# KiCad board simplyKeeb-60K.kicad_pcb
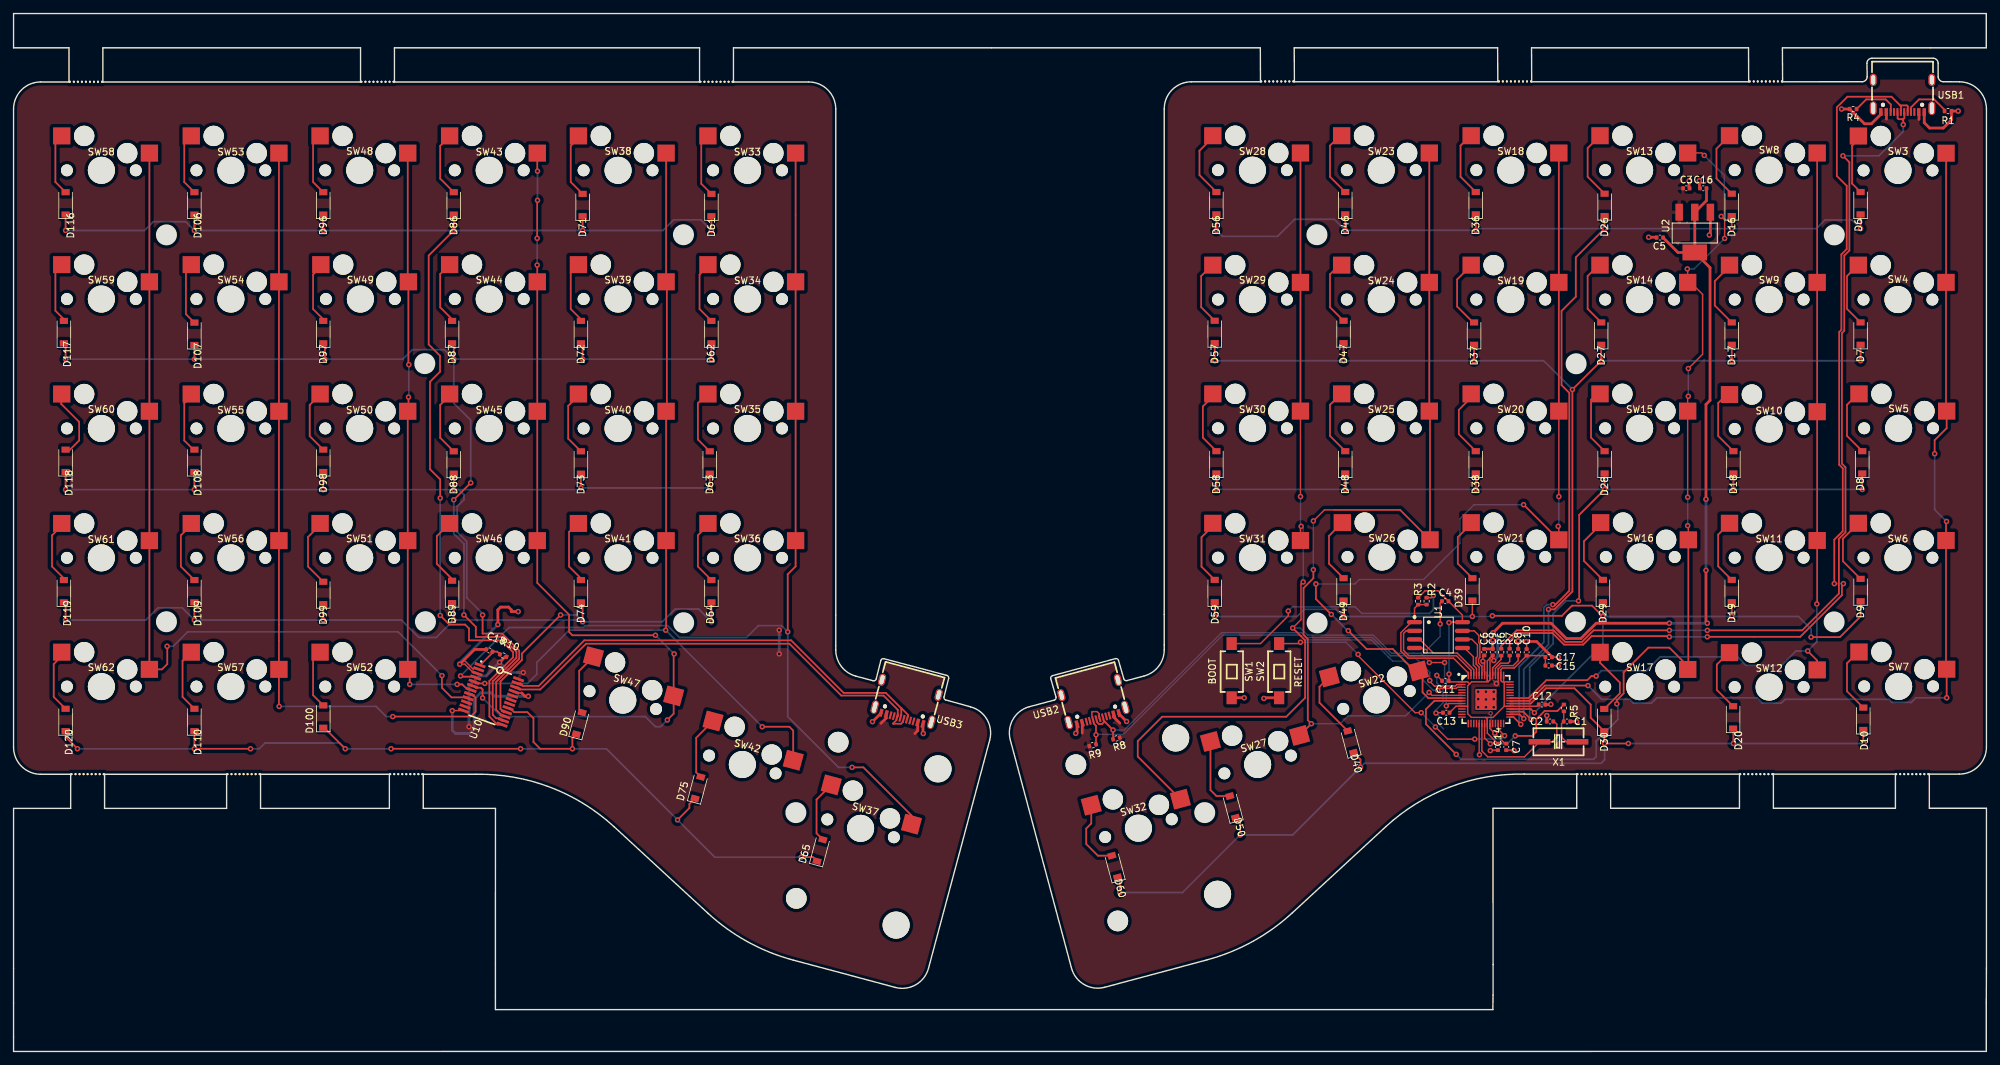
[diagram p0: board, top side]
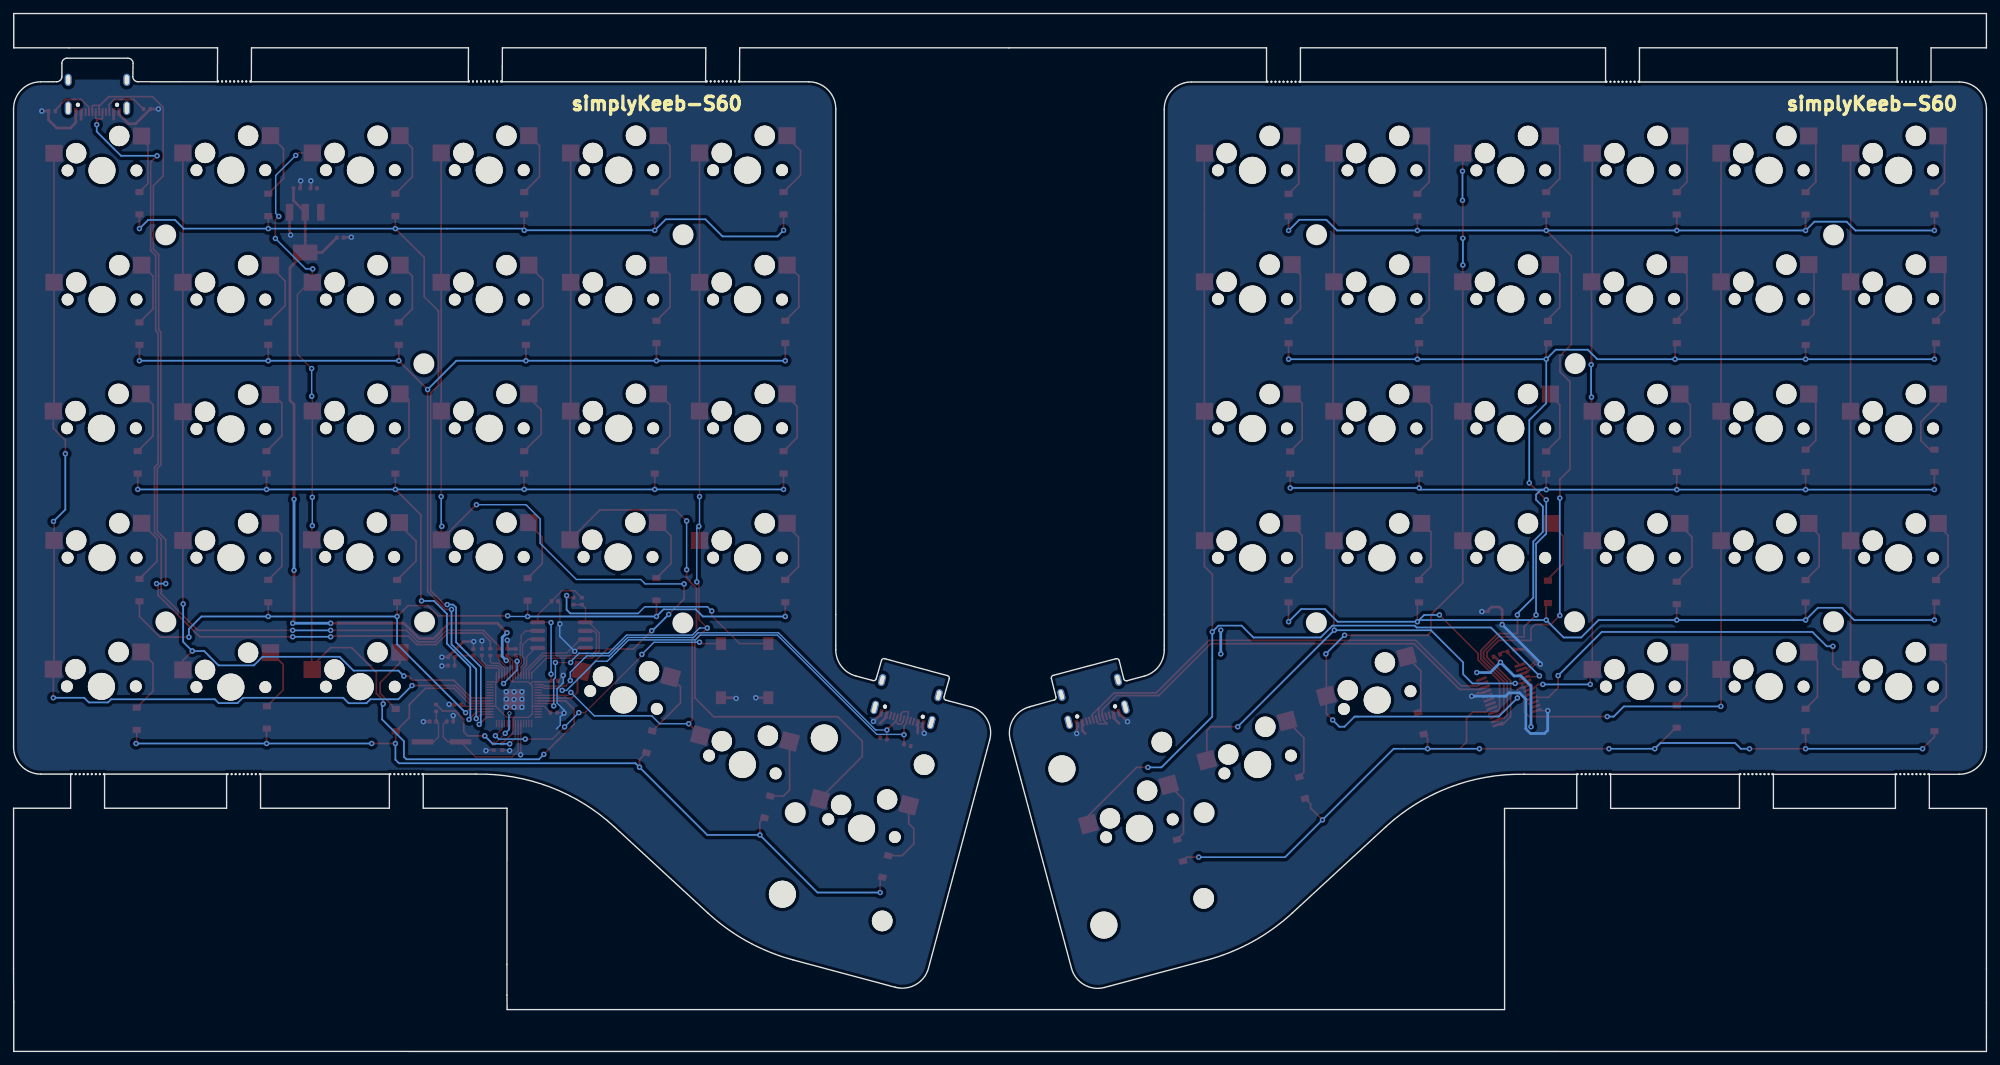
[diagram p1: board, bottom side, seen from below]

Outline 290.96 x 153.2 mm; copper layers: Top, Bottom. Coordinates in mm from the lower left corner of the outline.
Outline path: circle c22.55,120.53 r1.5 ; circle c22.55,63.43 r1.5 ; circle c60.65,101.53 r1.5 ; circle c60.75,63.43 r1.5 ; circle c98.8,120.55 r1.5 ; circle c98.82,63.28 r1.5 ; circle c115.37,35.25 r1.5 ; circle c175.67,35.25 r1.5 ; circle c192.22,120.55 r1.5 ; circle c192.25,63.25 r1.5 ; circle c230.35,63.4 r1.5 ; circle c230.45,101.5 r1.5 ; circle c268.5,63.4 r1.5 ; circle c268.52,120.53 r1.5 ; 0,153.2 290.93,153.2 290.93,148.14 260.87,148.14 260.9,143.13 272.62,143.13 arc(273.15,143.35) 273.37,143.88 273.33,145.86 arc(273.55,146.39) 274.08,146.61 283.08,146.61 arc(283.62,146.39) 283.83,145.86 283.83,143.86 arc(284.08,143.34) 284.61,143.13 286.96,143.13 arc(289.79,141.96) 290.96,139.13 290.96,44.94 arc(289.78,42.11) 286.95,40.94 282.54,40.94 282.54,35.9 290.96,35.9 290.96,12.26 290.93,7.18 290.93,0 0,0 0,35.87 8.42,35.87 8.42,40.91 4.01,40.91 arc(1.18,42.08) 0,44.91 0,139.1 arc(1.17,141.93) 4,143.1 8.17,143.1 8.17,148.14 0,148.14 0,153.2 ; 13.17,148.14 51.17,148.14 51.17,143.1 13.17,143.1 13.17,148.14 ; 13.42,40.91 31.42,40.91 31.42,35.87 13.42,35.87 13.42,40.91 ; 36.42,40.91 55.42,40.91 55.42,35.87 36.42,35.87 36.42,40.91 ; 56.17,148.14 101.17,148.14 101.17,143.1 56.17,143.1 56.17,148.14 ; 60.42,40.91 68.16,40.91 arc(79.12,39.01) 88.59,33.15 102.39,20.42 arc(108.25,16.19) 114.97,13.49 130.04,9.45 arc(133.07,9.85) 134.94,12.28 143.96,45.97 arc(143.56,49) 141.13,50.87 137.49,51.88 arc(137.26,52.04) 137.23,52.31 137.9,55.05 arc(137.87,55.34) 137.64,55.51 128.36,57.97 arc(128.07,57.94) 127.9,57.71 127.22,54.98 arc(127.05,54.75) 126.77,54.72 124.22,55.4 arc(122.09,56.83) 121.26,59.26 121.26,139.1 arc(120.09,141.93) 117.26,143.1 106.17,143.1 106.17,148.14 183.87,148.14 183.9,143.13 173.7,143.13 arc(170.87,141.95) 169.7,139.13 169.7,64.48 169.7,59.98 169.7,59.29 arc(168.87,56.85) 166.73,55.42 164.19,54.74 arc(163.91,54.78) 163.74,55 162.95,57.72 arc(162.78,57.95) 162.5,57.98 153.23,55.47 arc(153,55.3) 152.96,55.02 153.74,52.31 arc(153.7,52.03) 153.48,51.86 149.82,50.89 arc(147.4,49.03) 147,45.99 156.02,12.3 arc(157.89,9.88) 160.92,9.48 175.99,13.51 arc(182.71,16.22) 188.57,20.44 202.37,33.17 arc(211.84,39.03) 222.8,40.94 230.54,40.94 230.54,35.9 218.19,35.9 218.2,12.82 218.2,8.32 218.17,6.18 71.06,6.18 71.06,12.8 71.07,35.87 60.42,35.87 60.42,40.91 ; 188.9,143.13 188.87,148.14 218.87,148.14 218.9,143.13 188.9,143.13 ; 223.9,143.13 223.87,148.14 255.87,148.14 255.9,143.13 223.9,143.13 ; 235.54,40.94 235.54,35.9 254.54,35.9 254.54,40.94 235.54,40.94 ; 259.54,40.94 259.54,35.9 277.54,35.9 277.54,40.94 259.54,40.94
Stack: Top 0.035mm / dielectric 1.51mm FR4 er 4.5 / Bottom 0.035mm

## Placement (name value [footprint] x y rotation side)
C1  30pF  [C_0402_1005Metric]  229.1 48.71 0 top
C2  30pF  [C_0402_1005Metric]  226.6 48.7 180 top
C3  10uF  [C_0402_1005Metric]  246.7 127.4 0 top
C4  100nF  [C_0402_1005Metric]  211.15 66.45 180 top
C5  10uF  [C_0402_1005Metric]  242.79 120.13 180 top
C6  100nF  [C_0402_1005Metric]  216.9 58.93 90 top
C7  100nF  [C_0402_1005Metric]  220.15 44.95 270 top
C8  1uF  [C_0402_1005Metric]  221.9 58.93 90 top
C9  100nF  [C_0402_1005Metric]  218.15 58.93 90 top
C10  1uF  [C_0402_1005Metric]  223.15 58.91 90 top
C11  100nF  [C_0402_1005Metric]  211.17 54.7 180 top
C12  100nF  [C_0402_1005Metric]  225.42 51.2 0 top
C13  100nF  [C_0402_1005Metric]  211.3 50 180 top
C14  100nF  [C_0402_1005Metric]  218.9 44.95 270 top
C15  100nF  [C_0402_1005Metric]  226.4 56.95 0 top
C16  10uF  [C_0402_1005Metric]  249.2 127.4 180 top
C17  100nF  [C_0402_1005Metric]  226.4 58.2 0 top
C18  100nF  [C_0402_1005Metric]  70.17 59.18 160 top
D6  1N4148W  [D_SOD-123]  272.4 125.2 90 top
D7  1N4148W  [D_SOD-123]  272.4 105.95 90 top
D8  1N4148W  [D_SOD-123]  272.65 86.95 90 top
D9  1N4148W  [D_SOD-123]  272.4 68.1 90 top
D10  1N4148W  [D_SOD-123]  272.8 49.1 90 top
D16  1N4148W  [D_SOD-123]  253.4 124.95 90 top
D17  1N4148W  [D_SOD-123]  253.4 105.95 90 top
D18  1N4148W  [D_SOD-123]  253.65 86.95 90 top
D19  1N4148W  [D_SOD-123]  253.4 67.95 90 top
D20  1N4148W  [D_SOD-123]  253.6 49.3 90 top
D26  1N4148W  [D_SOD-123]  234.65 124.95 90 top
D27  1N4148W  [D_SOD-123]  234.15 105.95 90 top
D28  1N4148W  [D_SOD-123]  234.65 86.95 90 top
D29  1N4148W  [D_SOD-123]  234.4 67.95 90 top
D30  1N4148W  [D_SOD-123]  234.6 48.9 90 top
D36  1N4148W  [D_SOD-123]  215.65 125.2 90 top
D37  1N4148W  [D_SOD-123]  215.4 105.95 90 top
D38  1N4148W  [D_SOD-123]  215.65 86.95 90 top
D39  1N4148W  [D_SOD-123]  215.15 68.2 90 top
D40  1N4148W  [D_SOD-123]  197.2 45.7 105 top
D46  1N4148W  [D_SOD-123]  196.4 125.2 90 top
D47  1N4148W  [D_SOD-123]  196.15 106.2 90 top
D48  1N4148W  [D_SOD-123]  196.4 86.95 90 top
D49  1N4148W  [D_SOD-123]  196.15 68.2 90 top
D50  1N4148W  [D_SOD-123]  179.8 36.1 105 top
D56  1N4148W  [D_SOD-123]  177.4 125.2 90 top
D57  1N4148W  [D_SOD-123]  177.15 106.2 90 top
D58  1N4148W  [D_SOD-123]  177.4 86.95 90 top
D59  1N4148W  [D_SOD-123]  177.15 67.95 90 top
D60  1N4148W  [D_SOD-123]  162.4 27.3 105 top
D61  1N4148W  [D_SOD-123]  102.92 124.93 90 top
D62  1N4148W  [D_SOD-123]  102.92 106.18 90 top
D63  1N4148W  [D_SOD-123]  102.67 86.93 90 top
D64  1N4148W  [D_SOD-123]  102.92 67.93 90 top
D65  1N4148W  [D_SOD-123]  118.92 29.68 75 top
D71  1N4148W  [D_SOD-123]  83.92 124.93 90 top
D72  1N4148W  [D_SOD-123]  83.67 106.18 90 top
D73  1N4148W  [D_SOD-123]  83.67 86.93 90 top
D74  1N4148W  [D_SOD-123]  83.67 67.93 90 top
D75  1N4148W  [D_SOD-123]  100.92 38.93 75 top
D86  1N4148W  [D_SOD-123]  64.92 125.18 90 top
D87  1N4148W  [D_SOD-123]  64.67 106.18 90 top
D88  1N4148W  [D_SOD-123]  64.92 86.93 90 top
D89  1N4148W  [D_SOD-123]  64.67 67.83 90 top
D90  1N4148W  [D_SOD-123]  83.42 48.43 75 top
D96  1N4148W  [D_SOD-123]  45.67 125.18 90 top
D97  1N4148W  [D_SOD-123]  45.67 106.18 90 top
D98  1N4148W  [D_SOD-123]  45.67 87.18 90 top
D99  1N4148W  [D_SOD-123]  45.67 67.68 90 top
D100  1N4148W  [D_SOD-123]  45.67 49.43 90 top
D106  1N4148W  [D_SOD-123]  26.67 125.18 90 top
D107  1N4148W  [D_SOD-123]  26.67 105.93 90 top
D108  1N4148W  [D_SOD-123]  26.67 87.18 90 top
D109  1N4148W  [D_SOD-123]  26.67 67.93 90 top
D110  1N4148W  [D_SOD-123]  26.67 48.93 90 top
D116  1N4148W  [D_SOD-123]  7.67 125.18 90 top
D117  1N4148W  [D_SOD-123]  7.42 106.18 90 top
D118  1N4148W  [D_SOD-123]  7.67 87.18 90 top
D119  1N4148W  [D_SOD-123]  7.42 67.93 90 top
D120  1N4148W  [D_SOD-123]  7.67 48.93 90 top
R1  5.1k  [R_0402_1005Metric]  285.3 138.8 180 top
R2  1k  [R_0402_1005Metric]  208.4 66.46 90 top
R3  10k  [R_0402_1005Metric]  207.15 66.46 270 top
R4  5.1k  [R_0402_1005Metric]  271.3 139.1 180 top
R5  1k  [R_0402_1005Metric]  228.65 50.7 270 top
R6  27R  [R_0402_1005Metric]  219.4 58.93 270 top
R7  27R  [R_0402_1005Metric]  220.65 58.93 270 top
R8  R4.7k  [R_0402_1005Metric]  162.65 46.2 195 top
R9  R4.7k  [R_0402_1005Metric]  159.15 45.2 15 top
R10  10k  [R_0402_1005Metric]  72.22 58.43 160 top
REF**  -  [Breakaway_Tabs]  10.67 143.13 0 top
REF**#2  -  [Breakaway_Tabs]  53.67 143.13 0 top
REF**#3  -  [Breakaway_Tabs]  186.37 143.18 0 top
REF**#4  -  [Breakaway_Tabs]  10.92 40.93 0 top
REF**#5  -  [Breakaway_Tabs]  258.42 143.18 0 top
REF**#6  -  [Breakaway_Tabs]  221.42 143.18 0 top
REF**#7  -  [Breakaway_Tabs]  57.92 40.93 0 top
REF**#8  -  [Breakaway_Tabs]  103.67 143.13 0 top
REF**#9  -  [Breakaway_Tabs]  233.02 40.93 0 top
REF**#10  -  [Breakaway_Tabs]  280.02 40.93 0 top
REF**#11  -  [Breakaway_Tabs]  257.02 40.93 0 top
REF**#12  -  [Breakaway_Tabs]  33.92 40.93 0 top
SW1  ~  [SW-SMD_L6.0-W3.3-LS8.0]  179.65 56.2 90 top
SW2  ~  [SW-SMD_L6.0-W3.3-LS8.0]  186.65 56.2 90 top
SW3  SW_Push  [MXOnly-1U-Hotswap]  277.92 130.04 180 bottom
SW4  SW_Push  [MXOnly-1U-Hotswap]  277.91 110.98 180 bottom
SW5  SW_Push  [MXOnly-1U-Hotswap]  278.01 91.98 180 bottom
SW6  SW_Push  [MXOnly-1U-Hotswap]  277.91 72.88 180 bottom
SW7  SW_Push  [MXOnly-1U-Hotswap]  278.01 53.88 180 bottom
SW8  SW_Push  [MXOnly-1U-Hotswap]  258.91 130.08 180 bottom
SW9  SW_Push  [MXOnly-1U-Hotswap]  258.91 110.98 180 bottom
SW10  SW_Push  [MXOnly-1U-Hotswap]  258.91 91.88 180 bottom
SW11  SW_Push  [MXOnly-1U-Hotswap]  258.91 72.88 180 bottom
SW12  SW_Push  [MXOnly-1U-Hotswap]  258.91 53.78 180 bottom
SW13  SW_Push  [MXOnly-1U-Hotswap]  239.81 130.08 180 bottom
SW14  SW_Push  [MXOnly-1U-Hotswap]  239.81 110.98 180 bottom
SW15  SW_Push  [MXOnly-1U-Hotswap]  239.81 91.98 180 bottom
SW16  SW_Push  [MXOnly-1U-Hotswap]  239.91 72.98 180 bottom
SW17  SW_Push  [MXOnly-1U-Hotswap]  239.82 53.84 180 bottom
SW18  SW_Push  [MXOnly-1U-Hotswap]  220.81 130.08 180 bottom
SW19  SW_Push  [MXOnly-1U-Hotswap]  220.81 110.98 180 bottom
SW20  SW_Push  [MXOnly-1U-Hotswap]  220.81 91.98 180 bottom
SW21  SW_Push  [MXOnly-1U-Hotswap]  220.81 72.98 180 bottom
SW22  SW_Push  [MXOnly-1U-Hotswap]  201.01 51.88 195 bottom
SW23  SW_Push  [MXOnly-1U-Hotswap]  201.71 130.08 180 bottom
SW24  SW_Push  [MXOnly-1U-Hotswap]  201.71 110.98 180 bottom
SW25  SW_Push  [MXOnly-1U-Hotswap]  201.71 91.98 180 bottom
SW26  SW_Push  [MXOnly-1U-Hotswap]  201.81 72.98 180 bottom
SW27  SW_Push  [MXOnly-1.5U-Hotswap-Vertical]  183.48 42.35 195 bottom
SW28  SW_Push  [MXOnly-1U-Hotswap]  182.71 130.08 180 bottom
SW29  SW_Push  [MXOnly-1U-Hotswap]  182.71 110.98 180 bottom
SW30  SW_Push  [MXOnly-1U-Hotswap]  182.71 91.98 180 bottom
SW31  SW_Push  [MXOnly-1U-Hotswap]  182.71 72.88 180 bottom
SW32  SW_Push  [MXOnly-2U-Hotswap-Vertical]  166.51 32.6 15 bottom
SW33  SW_Push  [MXOnly-1U-Hotswap]  108.25 130.06 180 bottom
SW34  SW_Push  [MXOnly-1U-Hotswap]  108.25 111.06 180 bottom
SW35  SW_Push  [MXOnly-1U-Hotswap]  108.25 91.96 180 bottom
SW36  SW_Push  [MXOnly-1U-Hotswap]  108.25 72.86 180 bottom
SW37  SW_Push  [MXOnly-2U-Hotswap-Vertical]  125.28 32.32 345 bottom
SW38  SW_Push  [MXOnly-1U-Hotswap]  89.15 130.06 180 bottom
SW39  SW_Push  [MXOnly-1U-Hotswap]  89.15 111.06 180 bottom
SW40  SW_Push  [MXOnly-1U-Hotswap]  89.15 91.96 180 bottom
SW41  SW_Push  [MXOnly-1U-Hotswap]  89.15 72.86 180 bottom
SW42  SW_Push  [MXOnly-1.5U-Hotswap-Vertical]  107.48 42.36 165 bottom
SW43  SW_Push  [MXOnly-1U-Hotswap]  70.15 130.06 180 bottom
SW44  SW_Push  [MXOnly-1U-Hotswap]  70.15 111.06 180 bottom
SW45  SW_Push  [MXOnly-1U-Hotswap]  70.15 91.96 180 bottom
SW46  SW_Push  [MXOnly-1U-Hotswap]  70.15 72.86 180 bottom
SW47  SW_Push  [MXOnly-1U-Hotswap]  89.85 51.86 165 bottom
SW48  SW_Push  [MXOnly-1U-Hotswap]  51.05 130.06 180 bottom
SW49  SW_Push  [MXOnly-1U-Hotswap]  51.15 111.06 180 bottom
SW50  SW_Push  [MXOnly-1U-Hotswap]  51.05 91.96 180 bottom
SW51  SW_Push  [MXOnly-1U-Hotswap]  51.05 72.86 180 bottom
SW52  SW_Push  [MXOnly-1U-Hotswap]  51.05 53.86 180 bottom
SW53  SW_Push  [MXOnly-1U-Hotswap]  32.05 130.06 180 bottom
SW54  SW_Push  [MXOnly-1U-Hotswap]  32.05 111.06 180 bottom
SW55  SW_Push  [MXOnly-1U-Hotswap]  32.05 91.96 180 bottom
SW56  SW_Push  [MXOnly-1U-Hotswap]  32.05 72.86 180 bottom
SW57  SW_Push  [MXOnly-1U-Hotswap]  32.05 53.86 180 bottom
SW58  SW_Push  [MXOnly-1U-Hotswap]  12.95 130.06 180 bottom
SW59  SW_Push  [MXOnly-1U-Hotswap]  12.95 111.06 180 bottom
SW60  SW_Push  [MXOnly-1U-Hotswap]  12.95 91.96 180 bottom
SW61  SW_Push  [MXOnly-1U-Hotswap]  12.95 72.86 180 bottom
SW62  SW_Push  [MXOnly-1U-Hotswap]  12.95 53.86 180 bottom
U1  ~  [SOIC-8_L5.3-W5.3-P1.27-LS8.0-BL]  210.15 61.45 270 top
U2  ~  [SOT-223-3_L6.5-W3.4-P2.30-LS7.0-BR]  247.95 120.9 90 top
U3  ~  [RP2040]  217.15 51.95 0 top
U10  PCA9555PW (IO Expander)  [TSSOP-24_L7.8-W4.4-P0.65-LS6.4-BL]  70.42 52.63 250 top
USB1  USB Type C  [USB-C-SMD_TYPE-C-31-M-31#3]  278.58 141.04 180 top
USB2  USB Type C  [USB-C-SMD_TYPE-C-31-M-31]  159.32 51.41 195 top
USB3  USB Type C  [USB-C-SMD_TYPE-C-31-M-31#2]  131.64 51.46 165 top
X1  S4T12000ZYFAC  [CRYSTAL-SMD_L7.4-W4.0-LS8.0]  227.85 45.7 180 top

## Library data of the parts
C6 C7 C9 C11-C15 C17 = -: LCSC: C83056
C8 C10 = -: LCSC: C92755
R6 R7 = -: LCSC: C25100
U1 = -: JLC Part: Extended Part; LCSC: C82317; Manufacturer: WINBOND
U2 = -: JLC Part: Extended Part; LCSC: C26537; LCSC Part: C26537; Manufacturer: ON
U3 = -: JLC Part: Extended Part; LCSC: C2040; Manufacturer: Raspberry Pi
U10 = -: JLC Part: Extended Part; LCSC: C128392; Manufacturer: NXP
USB1-USB3 = -: JLC Part: Extended Part; LCSC: C2760486; Manufacturer: 韩国韩荣
X1 = -: LCSC: C2149004; Manufacturer: JYJE(晶友嘉)

## Footprints (pads in the part's own frame, mm; a bottom-side part is the same pattern mirrored in y, then rotated)
Breakaway_Tabs
  round 0.3 hole 0.3 unplated: (-2.375,0) (-1.781,0) (-1.188,0) (-0.594,0) (0,0) (0.594,0) (1.188,0) (1.781,0) (2.375,0)
C_0402_1005Metric
  rrect 0.56x0.62 smd: 1(-0.48,0) 2(0.48,0)
CRYSTAL-SMD_L7.4-W4.0-LS8.0
  rect 3.2x0.8 smd: 1(-2.8,0) 2(2.8,0)
D_SOD-123
  rect 0.9x1.2 smd: 1(-1.65,0) 2(1.65,0)
MXOnly-1.5U-Hotswap-Vertical
  round 1.75 hole 1.75 unplated: (-5.08,0) (5.08,0)
  round 3 hole 3 unplated: (-3.81,2.54) (2.54,5.08)
  round 3.988 hole 3.988 unplated: (0,0)
  rect 2.55x2.5 smd far side: 1(-7.085,2.54) 2(5.842,5.08)
MXOnly-1U-Hotswap
  round 1.75 hole 1.75 unplated: (-5.08,0) (5.08,0)
  round 3 hole 3 unplated: (-3.81,2.54) (2.54,5.08)
  round 3.988 hole 3.988 unplated: (0,0)
  rect 2.55x2.5 smd far side: 1(-7.085,2.54) 2(5.842,5.08)
MXOnly-2U-Hotswap-Vertical
  round 3.048 hole 3.048 unplated: (-6.985,-11.938) (-6.985,11.938)
  round 1.75 hole 1.75 unplated: (-5.58,-0.5) (4.58,-0.5)
  round 3 hole 3 unplated: (-3.04,-5.58) (3.31,-3.04)
  round 3.988 hole 3.988 unplated: (-0.5,-0.5) (8.255,-11.938) (8.255,11.938)
  rect 2.55x2.5 smd far side: 1(6.585,-3.04) 2(-6.342,-5.58)
R_0402_1005Metric
  rrect 0.54x0.64 smd: 1(-0.51,0) 2(0.51,0)
RP2040
  rect 1.1x0.2 smd: 1(-3.55,2.6) 2(-3.55,2.2) 3(-3.55,1.8) 4(-3.55,1.4) 5(-3.55,1) 6(-3.55,0.6) 7(-3.55,0.2) 8(-3.55,-0.2) 9(-3.55,-0.6) 10(-3.55,-1) 11(-3.55,-1.4) 12(-3.55,-1.8) 13(-3.55,-2.2) 14(-3.55,-2.6) 29(3.55,-2.6) 30(3.55,-2.2) 31(3.55,-1.8) 32(3.55,-1.4) 33(3.55,-1) 34(3.55,-0.6) 35(3.55,-0.2) 36(3.55,0.2) 37(3.55,0.6) 38(3.55,1) 39(3.55,1.4) 40(3.55,1.8) 41(3.55,2.2) 42(3.55,2.6)
  rect 0.2x1.1 smd: 15(-2.6,-3.55) 16(-2.2,-3.55) 17(-1.8,-3.55) 18(-1.4,-3.55) 19(-1,-3.55) 20(-0.6,-3.55) 21(-0.2,-3.55) 22(0.2,-3.55) 23(0.6,-3.55) 24(1,-3.55) 25(1.4,-3.55) 26(1.8,-3.55) 27(2.2,-3.55) 28(2.6,-3.55) 43(2.6,3.55) 44(2.2,3.55) 45(1.8,3.55) 46(1.4,3.55) 47(1,3.55) 48(0.6,3.55) 49(0.2,3.55) 50(-0.2,3.55) 51(-0.6,3.55) 52(-1,3.55) 53(-1.4,3.55) 54(-1.8,3.55) 55(-2.2,3.55) 56(-2.6,3.55)
  rect 3.1x3.1 smd: 57(0,0)
SOIC-8_L5.3-W5.3-P1.27-LS8.0-BL
  oval 0.63x2.25 smd: 1(-1.91,-3.53) 2(-0.63,-3.53) 3(0.63,-3.53) 4(1.9,-3.53) 5(1.9,3.53) 6(0.63,3.53) 7(-0.63,3.53) 8(-1.91,3.53)
SOT-223-3_L6.5-W3.4-P2.30-LS7.0-BR
  rect 2.5x1.1 smd: 1(2.97,-2.3) 2(2.97,0) 3(2.97,2.3)
  rect 2.34x3.6 smd: 2(-2.97,0)
SW-SMD_L6.0-W3.3-LS8.0
  rect 1.9x1.5 smd: 1(-4,0) 2(4,0)
TSSOP-24_L7.8-W4.4-P0.65-LS6.4-BL
  rect 0.4x1.65 smd: 1(-3.57,-3.02) 2(-2.92,-3.02) 3(-2.27,-3.02) 4(-1.62,-3.02) 5(-0.97,-3.02) 6(-0.32,-3.02) 7(0.32,-3.02) 8(0.98,-3.02) 9(1.63,-3.02) 10(2.28,-3.02) 11(2.93,-3.02) 12(3.57,-3.02) 13(3.57,3.02) 14(2.93,3.02) 15(2.28,3.02) 16(1.63,3.02) 17(0.98,3.02) 18(0.32,3.02) 19(-0.32,3.02) 20(-0.97,3.02) 21(-1.62,3.02) 22(-2.27,3.02) 23(-2.92,3.02) 24(-3.57,3.02)
USB-C-SMD_TYPE-C-31-M-31
  round 0.6 hole 0.6: (-2.89,1.31) (2.89,1.31)
  oval 1x2 hole 0.6x1.7: 1(-4.32,1.81) 1(4.32,1.81)
  oval 1x1.8 hole 0.6x1.4: 1(-4.32,-2.37) 1(4.32,-2.37)
  rect 0.5x1.14 smd: A1(-3.2,2.37) A4(-2.4,2.37) A9(2.4,2.37) A12(3.2,2.37)
  rect 0.3x1.14 smd: A5(-1.25,2.37) A6(-0.25,2.37) A7(0.25,2.37) A8(1.25,2.37) B5(1.75,2.37) B6(0.75,2.37) B7(-0.75,2.37) B8(-1.75,2.37)
USB-C-SMD_TYPE-C-31-M-31#2
  round 0.6 hole 0.6: (-2.89,1.31) (2.89,1.31)
  oval 1x2 hole 0.6x1.7: 1(-4.32,1.81) 1(4.32,1.81)
  oval 1x1.8 hole 0.6x1.4: 1(-4.32,-2.37) 1(4.32,-2.37)
  rect 0.5x1.14 smd: A1(-3.2,2.37) A4(-2.4,2.37) A9(2.4,2.37) A12(3.2,2.37)
  rect 0.3x1.14 smd: A5(-1.25,2.37) A6(-0.25,2.37) A7(0.25,2.37) A8(1.25,2.37) B5(1.75,2.37) B6(0.75,2.37) B7(-0.75,2.37) B8(-1.75,2.37)
USB-C-SMD_TYPE-C-31-M-31#3
  round 0.6 hole 0.6: (-2.89,1.31) (2.89,1.31)
  oval 1x2 hole 0.6x1.7: 1(-4.32,1.81) 1(4.32,1.81)
  oval 1x1.8 hole 0.6x1.4: 1(-4.32,-2.37) 1(4.32,-2.37)
  rect 0.5x1.14 smd: A1(-3.2,2.37) A4(-2.4,2.37) A9(2.4,2.37) A12(3.2,2.37)
  rect 0.3x1.14 smd: A5(-1.25,2.37) A6(-0.25,2.37) A7(0.25,2.37) A8(1.25,2.37) B5(1.75,2.37) B6(0.75,2.37) B7(-0.75,2.37) B8(-1.75,2.37)

## Nets
+1V1: C6.1 C7.1 C8.1 U3.23 U3.45 U3.50
+3V3: C4.1 C5.1 C9.1 C10.1 C11.1 C12.1 C13.1 C14.1 C15.1 C16.1 C17.1 R3.1 U1.8 U2.2 U3.1 U3.10 U3.22 U3.33 U3.42 U3.43 U3.44 U3.48 U3.49
GND: C1.2 C2.2 C3.2 C4.2 C5.2 C6.2 C7.2 C8.2 C9.2 C10.2 C11.2 C12.2 C13.2 C14.2 C15.2 C16.2 C17.2 R1.1 R4.2 SW1.1 SW2.1 U1.4 U2.1 U3.19 U3.57 USB1.A1 USB1.A12 USB2.A1 USB2.A12
VBUS: C3.1 R8.1 R9.1 U2.3 USB1.A4 USB1.A9 USB2.A4 USB2.A9
VDD: R10.1 U10.24 USB3.A4 USB3.A9
VSS: C18.2 U10.2 U10.3 U10.12 U10.21 USB3.A1 USB3.A12
/Col_L0: SW3.1 SW4.1 SW5.1 SW6.1 SW7.1 U3.35
/Col_L1: SW8.1 SW9.1 SW10.1 SW11.1 SW12.1 U3.36
/Col_L2: SW13.1 SW14.1 SW15.1 SW16.1 SW17.1 U3.8
/Col_L3: SW18.1 SW19.1 SW20.1 SW21.1 SW22.1 U3.7
/Col_L4: SW23.1 SW24.1 SW25.1 SW26.1 SW27.1 U3.6
/Col_L5: SW28.1 SW29.1 SW30.1 SW31.1 SW32.1 U3.9
/Col_R0: SW33.1 SW34.1 SW35.1 SW36.1 SW37.1 U10.4
/Col_R1: SW38.1 SW39.1 SW40.1 SW41.1 SW42.1 U10.5
/Col_R2: SW43.1 SW44.1 SW45.1 SW46.1 SW47.1 U10.6
/Col_R3: SW48.1 SW49.1 SW50.1 SW51.1 SW52.1 U10.7
/Col_R4: SW53.1 SW54.1 SW55.1 SW56.1 SW57.1 U10.8
/Col_R5: SW58.1 SW59.1 SW60.1 SW61.1 SW62.1 U10.9
/I2C_SCL_L: R9.2 U3.3 USB2.A6 USB2.B6
/I2C_SCL_R: U10.22 USB3.A6 USB3.B6
/I2C_SDA_L: R8.2 U3.2 USB2.A7 USB2.B7
/I2C_SDA_R: U10.23 USB3.A7 USB3.B7
/Row_L0: D6.1 D16.1 D26.1 D36.1 D46.1 D56.1 U3.29
/Row_L1: D7.1 D17.1 D27.1 D37.1 D47.1 D57.1 U3.30
/Row_L2: D8.1 D18.1 D28.1 D38.1 D48.1 D58.1 U3.31
/Row_L3: D9.1 D19.1 D29.1 D39.1 D49.1 D59.1 U3.32
/Row_L4: D10.1 D20.1 D30.1 D40.1 D50.1 D60.1 U3.34
/Row_R0: D61.1 D71.1 D86.1 D96.1 D106.1 D116.1 U10.13
/Row_R1: D62.1 D72.1 D87.1 D97.1 D107.1 D117.1 U10.14
/Row_R2: D63.1 D73.1 D88.1 D98.1 D108.1 D118.1 U10.15
/Row_R3: D64.1 D74.1 D89.1 D99.1 D109.1 D119.1 U10.16
/Row_R4: D65.1 D75.1 D90.1 D100.1 D110.1 D120.1 U10.17
/RP2040 for Keebs/GPIO2: U3.4
/RP2040 for Keebs/GPIO3: U3.5
/RP2040 for Keebs/GPIO8: U3.11
/RP2040 for Keebs/GPIO9: U3.12
/RP2040 for Keebs/GPIO10: U3.13
/RP2040 for Keebs/GPIO11: U3.14
/RP2040 for Keebs/GPIO12: U3.15
/RP2040 for Keebs/GPIO13: U3.16
/RP2040 for Keebs/GPIO14: U3.17
/RP2040 for Keebs/GPIO15: U3.18
/RP2040 for Keebs/GPIO16: U3.27
/RP2040 for Keebs/GPIO17: U3.28
/RP2040 for Keebs/GPIO25: U3.37
/RP2040 for Keebs/GPIO26_ADC0: U3.38
/RP2040 for Keebs/GPIO27_ADC1: U3.39
/RP2040 for Keebs/GPIO28_ADC2: U3.40
/RP2040 for Keebs/GPIO29_ADC3: U3.41
/RP2040 for Keebs/QSPI_SCLK: U1.6 U3.52
/RP2040 for Keebs/QSPI_SD0: U1.5 U3.53
/RP2040 for Keebs/QSPI_SD1: U1.2 U3.55
/RP2040 for Keebs/QSPI_SD2: U1.3 U3.54
/RP2040 for Keebs/QSPI_SD3: U1.7 U3.51
/RP2040 for Keebs/QSPI_SS: R2.1 R3.2 U1.1 U3.56
/RP2040 for Keebs/USB_D+: R6.1 USB1.A6 USB1.B6
/RP2040 for Keebs/USB_D-: R7.1 USB1.A7 USB1.B7
/RP2040 for Keebs/XIN: C2.1 U3.20 X1.2
/RP2040 for Keebs/XOUT: R5.1 U3.21
/RP2040 for Keebs/~{USB_BOOT}: R2.2 SW1.2
Net-(C1-Pad1): C1.1 R5.2 X1.1
Net-(C18-Pad1): C18.1 R10.2 U10.1
Net-(D6-Pad2): D6.2 SW3.2
Net-(D7-Pad2): D7.2 SW4.2
Net-(D8-Pad2): D8.2 SW5.2
Net-(D9-Pad2): D9.2 SW6.2
Net-(D10-Pad2): D10.2 SW7.2
Net-(D16-Pad2): D16.2 SW8.2
Net-(D17-Pad2): D17.2 SW9.2
Net-(D18-Pad2): D18.2 SW10.2
Net-(D19-Pad2): D19.2 SW11.2
Net-(D20-Pad2): D20.2 SW12.2
Net-(D26-Pad2): D26.2 SW13.2
Net-(D27-Pad2): D27.2 SW14.2
Net-(D28-Pad2): D28.2 SW15.2
Net-(D29-Pad2): D29.2 SW16.2
Net-(D30-Pad2): D30.2 SW17.2
Net-(D36-Pad2): D36.2 SW18.2
Net-(D37-Pad2): D37.2 SW19.2
Net-(D38-Pad2): D38.2 SW20.2
Net-(D39-Pad2): D39.2 SW21.2